# KiCad board netrazr_rev2.kicad_pcb
title: NetRazr Keyboard; rev: 2; note: Split KB for use in NetRazr Cyberdeck.
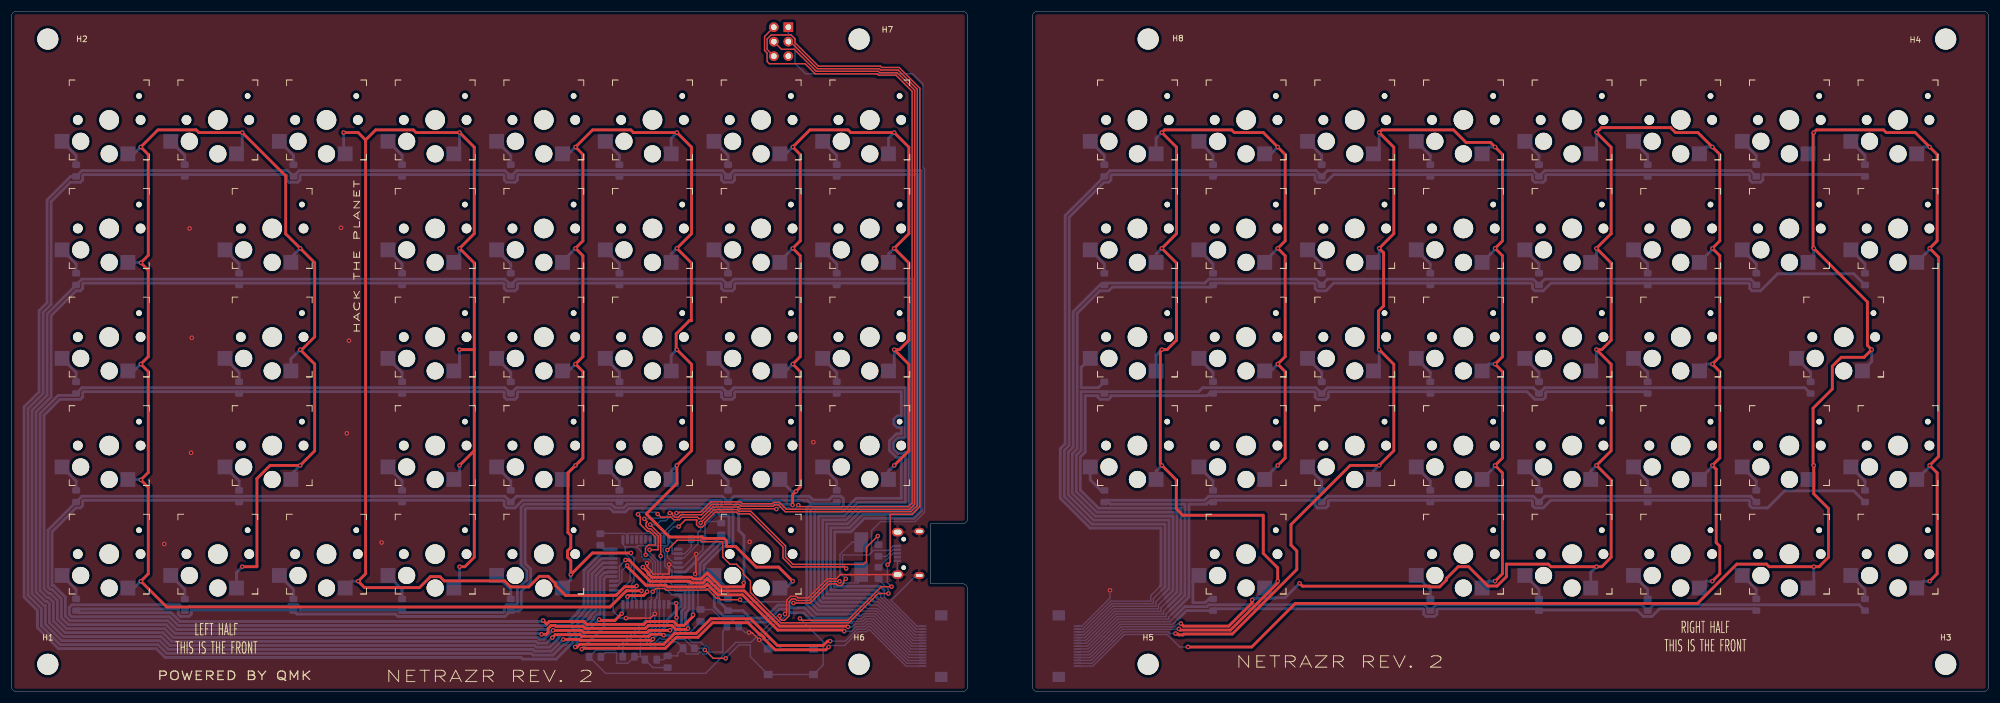
[diagram p0: board, top side]
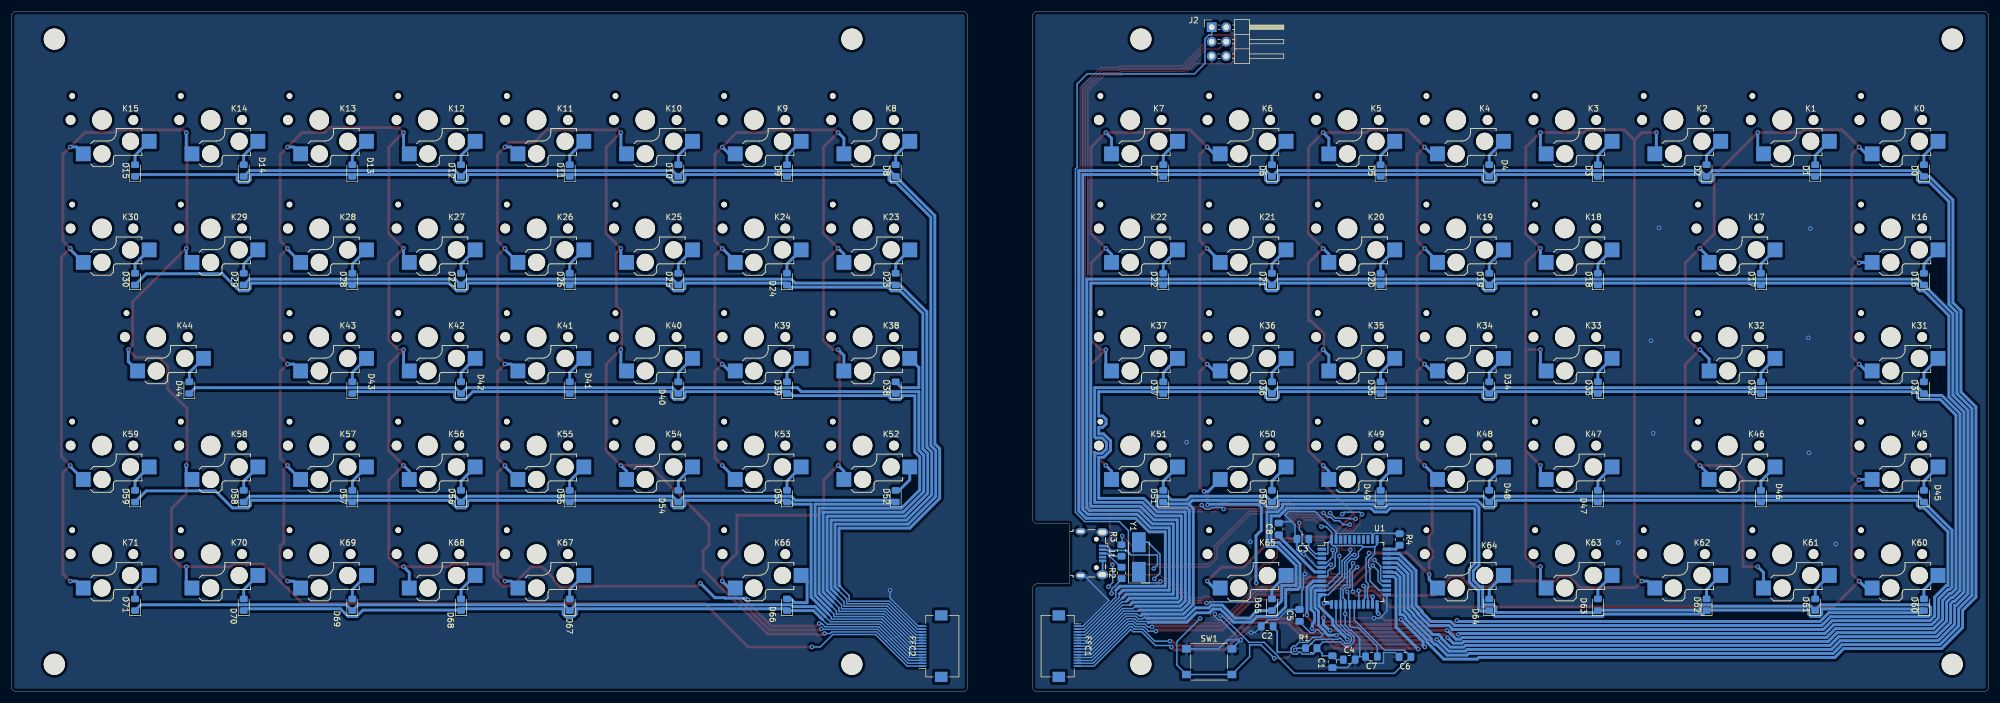
[diagram p1: board, bottom side, seen from below]

Outline 346.64 x 119.38 mm; copper layers: Top, Bottom. Coordinates in mm from the lower left corner of the outline.
Outline path: 0,118.49 0,0.89 arc(0.26,0.26) 0.89,0 166.75,0 arc(167.38,0.26) 167.64,0.89 167.64,18.03 arc(167.38,18.66) 166.75,18.92 161.16,18.92 161.16,29.46 166.75,29.46 arc(167.38,29.72) 167.64,30.35 167.64,118.49 arc(167.38,119.12) 166.75,119.38 0.89,119.38 arc(0.26,119.12) 0,118.49 ; 179,118.49 179,0.89 arc(179.26,0.26) 179.89,0 345.75,0 arc(346.38,0.26) 346.64,0.89 346.64,118.49 arc(346.38,119.12) 345.75,119.38 179.89,119.38 arc(179.26,119.12) 179,118.49

## Placement (name value [footprint] x y rotation side)
C1  0.1u  [C_0805_2012Metric_Pad1.18x1.45mm_HandSolder]  115.05 5.25 270 bottom
C2  0.1u  [C_0805_2012Metric_Pad1.18x1.45mm_HandSolder]  126.48 11.46 0 bottom
C3  0.1u  [C_0805_2012Metric_Pad1.18x1.45mm_HandSolder]  120.23 26.78 0 bottom
C4  0.1u  [C_0805_2012Metric_Pad1.18x1.45mm_HandSolder]  112.1 5.61 180 bottom
C5  4.7u  [C_0805_2012Metric_Pad1.18x1.45mm_HandSolder]  120.8 13.37 90 bottom
C6  22p  [C_0805_2012Metric_Pad1.18x1.45mm_HandSolder]  102.32 6.1 0 bottom
C7  22p  [C_0805_2012Metric_Pad1.18x1.45mm_HandSolder]  108.2 6.14 0 bottom
C8  1u  [C_0805_2012Metric_Pad1.18x1.45mm_HandSolder]  124.45 28.55 90 bottom
D0  D  [D_0805_2012Metric_Pad1.15x1.40mm_HandSolder]  11.35 91.44 90 bottom
D1  D  [D_0805_2012Metric_Pad1.15x1.40mm_HandSolder]  30.39 91.44 90 bottom
D2  D  [D_0805_2012Metric_Pad1.15x1.40mm_HandSolder]  49.45 91.44 90 bottom
D3  D  [D_0805_2012Metric_Pad1.15x1.40mm_HandSolder]  68.5 91.44 90 bottom
D4  D  [D_0805_2012Metric_Pad1.15x1.40mm_HandSolder]  87.55 91.44 90 bottom
D5  D  [D_0805_2012Metric_Pad1.15x1.40mm_HandSolder]  106.6 91.44 90 bottom
D6  D  [D_0805_2012Metric_Pad1.15x1.40mm_HandSolder]  125.64 91.44 90 bottom
D7  D  [D_0805_2012Metric_Pad1.15x1.40mm_HandSolder]  144.69 91.44 90 bottom
D8  D  [D_0805_2012Metric_Pad1.15x1.40mm_HandSolder]  191.62 91.44 90 bottom
D9  D  [D_0805_2012Metric_Pad1.15x1.40mm_HandSolder]  210.67 91.44 90 bottom
D10  D  [D_0805_2012Metric_Pad1.15x1.40mm_HandSolder]  229.71 91.44 90 bottom
D11  D  [D_0805_2012Metric_Pad1.15x1.40mm_HandSolder]  248.76 91.44 90 bottom
D12  D  [D_0805_2012Metric_Pad1.15x1.40mm_HandSolder]  267.81 91.44 90 bottom
D13  D  [D_0805_2012Metric_Pad1.15x1.40mm_HandSolder]  286.87 91.44 90 bottom
D14  D  [D_0805_2012Metric_Pad1.15x1.40mm_HandSolder]  305.91 91.44 90 bottom
D15  D  [D_0805_2012Metric_Pad1.15x1.40mm_HandSolder]  324.96 91.44 90 bottom
D16  D  [D_0805_2012Metric_Pad1.15x1.40mm_HandSolder]  11.35 72.39 90 bottom
D17  D  [D_0805_2012Metric_Pad1.15x1.40mm_HandSolder]  39.92 72.39 90 bottom
D18  D  [D_0805_2012Metric_Pad1.15x1.40mm_HandSolder]  68.5 72.39 90 bottom
D19  D  [D_0805_2012Metric_Pad1.15x1.40mm_HandSolder]  87.55 72.39 90 bottom
D20  D  [D_0805_2012Metric_Pad1.15x1.40mm_HandSolder]  106.6 72.39 90 bottom
D21  D  [D_0805_2012Metric_Pad1.15x1.40mm_HandSolder]  125.64 72.39 90 bottom
D22  D  [D_0805_2012Metric_Pad1.15x1.40mm_HandSolder]  144.69 72.39 90 bottom
D23  D  [D_0805_2012Metric_Pad1.15x1.40mm_HandSolder]  191.62 72.39 90 bottom
D24  D  [D_0805_2012Metric_Pad1.15x1.40mm_HandSolder]  210.67 72.39 90 bottom
D25  D  [D_0805_2012Metric_Pad1.15x1.40mm_HandSolder]  229.71 72.39 90 bottom
D26  D  [D_0805_2012Metric_Pad1.15x1.40mm_HandSolder]  248.76 72.39 90 bottom
D27  D  [D_0805_2012Metric_Pad1.15x1.40mm_HandSolder]  267.81 72.39 90 bottom
D28  D  [D_0805_2012Metric_Pad1.15x1.40mm_HandSolder]  286.87 72.39 90 bottom
D29  D  [D_0805_2012Metric_Pad1.15x1.40mm_HandSolder]  305.91 72.39 90 bottom
D30  D  [D_0805_2012Metric_Pad1.15x1.40mm_HandSolder]  324.96 72.39 90 bottom
D31  D  [D_0805_2012Metric_Pad1.15x1.40mm_HandSolder]  11.35 53.34 90 bottom
D32  D  [D_0805_2012Metric_Pad1.15x1.40mm_HandSolder]  39.92 53.34 90 bottom
D33  D  [D_0805_2012Metric_Pad1.15x1.40mm_HandSolder]  68.5 53.34 90 bottom
D34  D  [D_0805_2012Metric_Pad1.15x1.40mm_HandSolder]  87.55 53.34 90 bottom
D35  D  [D_0805_2012Metric_Pad1.15x1.40mm_HandSolder]  106.6 53.34 90 bottom
D36  D  [D_0805_2012Metric_Pad1.15x1.40mm_HandSolder]  125.64 53.34 90 bottom
D37  D  [D_0805_2012Metric_Pad1.15x1.40mm_HandSolder]  144.69 53.34 90 bottom
D38  D  [D_0805_2012Metric_Pad1.15x1.40mm_HandSolder]  191.62 53.34 90 bottom
D39  D  [D_0805_2012Metric_Pad1.15x1.40mm_HandSolder]  210.67 53.34 90 bottom
D40  D  [D_0805_2012Metric_Pad1.15x1.40mm_HandSolder]  229.71 53.34 90 bottom
D41  D  [D_0805_2012Metric_Pad1.15x1.40mm_HandSolder]  248.76 53.34 90 bottom
D42  D  [D_0805_2012Metric_Pad1.15x1.40mm_HandSolder]  267.81 53.34 90 bottom
D43  D  [D_0805_2012Metric_Pad1.15x1.40mm_HandSolder]  286.87 53.34 90 bottom
D44  D  [D_0805_2012Metric_Pad1.15x1.40mm_HandSolder]  315.44 53.34 90 bottom
D45  D  [D_0805_2012Metric_Pad1.15x1.40mm_HandSolder]  11.35 34.29 90 bottom
D46  D  [D_0805_2012Metric_Pad1.15x1.40mm_HandSolder]  39.92 34.29 90 bottom
D47  D  [D_0805_2012Metric_Pad1.15x1.40mm_HandSolder]  68.5 34.29 90 bottom
D48  D  [D_0805_2012Metric_Pad1.15x1.40mm_HandSolder]  87.55 34.29 90 bottom
D49  D  [D_0805_2012Metric_Pad1.15x1.40mm_HandSolder]  106.6 34.29 90 bottom
D50  D  [D_0805_2012Metric_Pad1.15x1.40mm_HandSolder]  125.64 34.29 90 bottom
D51  D  [D_0805_2012Metric_Pad1.15x1.40mm_HandSolder]  144.69 34.29 90 bottom
D52  D  [D_0805_2012Metric_Pad1.15x1.40mm_HandSolder]  191.62 34.29 90 bottom
D53  D  [D_0805_2012Metric_Pad1.15x1.40mm_HandSolder]  210.67 34.29 90 bottom
D54  D  [D_0805_2012Metric_Pad1.15x1.40mm_HandSolder]  229.71 34.29 90 bottom
D55  D  [D_0805_2012Metric_Pad1.15x1.40mm_HandSolder]  248.76 34.29 90 bottom
D56  D  [D_0805_2012Metric_Pad1.15x1.40mm_HandSolder]  267.81 34.29 90 bottom
D57  D  [D_0805_2012Metric_Pad1.15x1.40mm_HandSolder]  286.87 34.29 90 bottom
D58  D  [D_0805_2012Metric_Pad1.15x1.40mm_HandSolder]  305.91 34.29 90 bottom
D59  D  [D_0805_2012Metric_Pad1.15x1.40mm_HandSolder]  324.96 34.29 90 bottom
D60  D  [D_0805_2012Metric_Pad1.15x1.40mm_HandSolder]  11.35 15.24 90 bottom
D61  D  [D_0805_2012Metric_Pad1.15x1.40mm_HandSolder]  30.39 15.24 90 bottom
D62  D  [D_0805_2012Metric_Pad1.15x1.40mm_HandSolder]  49.45 15.24 90 bottom
D63  D  [D_0805_2012Metric_Pad1.15x1.40mm_HandSolder]  68.5 15.24 90 bottom
D64  D  [D_0805_2012Metric_Pad1.15x1.40mm_HandSolder]  87.55 15.24 90 bottom
D65  D  [D_0805_2012Metric_Pad1.15x1.40mm_HandSolder]  125.64 15.24 90 bottom
D66  D  [D_0805_2012Metric_Pad1.15x1.40mm_HandSolder]  210.67 15.24 90 bottom
D67  D  [D_0805_2012Metric_Pad1.15x1.40mm_HandSolder]  248.76 15.24 90 bottom
D68  D  [D_0805_2012Metric_Pad1.15x1.40mm_HandSolder]  267.81 15.24 90 bottom
D69  D  [D_0805_2012Metric_Pad1.15x1.40mm_HandSolder]  286.87 15.24 90 bottom
D70  D  [D_0805_2012Metric_Pad1.15x1.40mm_HandSolder]  305.91 15.24 90 bottom
D71  D  [D_0805_2012Metric_Pad1.15x1.40mm_HandSolder]  324.96 15.24 90 bottom
FFC1  -  [Hirose_FH12-15S-0.5SH_1x15-1MP_P0.50mm_Horizontal]  161.61 7.98 270 bottom
FFC2  -  [Hirose_FH12-15S-0.5SH_1x15-1MP_P0.50mm_Horizontal]  185.03 7.98 90 bottom
H1  MountingHole  [MountingHole_3.7mm]  6.38 4.79 0 top
H2  MountingHole  [MountingHole_3.7mm]  6.38 114.52 0 top
H3  MountingHole  [MountingHole_3.7mm]  339.12 4.79 0 top
H4  MountingHole  [MountingHole_3.7mm]  339.12 114.52 0 top
H5  MountingHole  [MountingHole_3.7mm]  199.29 4.79 0 top
H6  MountingHole  [MountingHole_3.7mm]  148.62 4.79 0 top
H7  MountingHole  [MountingHole_3.7mm]  148.62 114.52 0 top
H8  MountingHole  [MountingHole_3.7mm]  199.29 114.52 0 top
J1  USB_B_Micro  [USB_Micro-B_Wuerth_629105150521]  157.23 24.26 270 bottom
J2  Conn_02x03_Odd_Even  [PinHeader_2x03_P2.54mm_Horizontal]  136.21 116.61 180 bottom
K0  MACRO,,,,,,1  [Kailh_socket_PG1350]  17.15 100.33 0 top
K1  ESC  [Kailh_socket_PG1350]  36.2 100.33 0 top
K2  ~~,,,,,,,,,`  [Kailh_socket_PG1350]  55.25 100.33 0 top
K3  !,,f1,,,,,,,1  [Kailh_socket_PG1350]  74.3 100.33 0 top
K4  @,,f2,,,,,,,2  [Kailh_socket_PG1350]  93.35 100.33 0 top
K5  #,,f3,,,,,,,3  [Kailh_socket_PG1350]  112.39 100.33 0 top
K6  $,,f4,,,,,,,4  [Kailh_socket_PG1350]  131.44 100.33 0 top
K7  %,,f5,,,,,,,5  [Kailh_socket_PG1350]  150.5 100.33 0 top
K8  ^,,f6,,,,,,,6  [Kailh_socket_PG1350]  197.42 100.33 0 top
K9  &,,f7,,,,,,,7  [Kailh_socket_PG1350]  216.46 100.33 0 top
K10  *,,f8,,,,,,,8  [Kailh_socket_PG1350]  235.51 100.33 0 top
K11  (,,f9,,,,,,,9  [Kailh_socket_PG1350]  254.56 100.33 0 top
K12  ),,f10,,,,,,,0  [Kailh_socket_PG1350]  273.62 100.33 0 top
K13  _,,f11,,,,,,,-  [Kailh_socket_PG1350]  292.66 100.33 0 top
K14  +,,f12,,,,,,,=  [Kailh_socket_PG1350]  311.71 100.33 0 top
K15  BKSP  [Kailh_socket_PG1350]  330.76 100.33 0 top
K16  MACRO,,,,,,2  [Kailh_socket_PG1350]  17.15 81.28 0 top
K17  TAB  [Kailh_socket_PG1350]  45.72 81.28 0 top
K18  Q  [Kailh_socket_PG1350]  74.3 81.28 0 top
K19  W  [Kailh_socket_PG1350]  93.35 81.28 0 top
K20  E  [Kailh_socket_PG1350]  112.39 81.28 0 top
K21  R  [Kailh_socket_PG1350]  131.44 81.28 0 top
K22  T  [Kailh_socket_PG1350]  150.5 81.28 0 top
K23  Y  [Kailh_socket_PG1350]  197.42 81.28 0 top
K24  U  [Kailh_socket_PG1350]  216.46 81.28 0 top
K25  I  [Kailh_socket_PG1350]  235.51 81.28 0 top
K26  O  [Kailh_socket_PG1350]  254.56 81.28 0 top
K27  P  [Kailh_socket_PG1350]  273.62 81.28 0 top
K28  {,,,,,,,,,[}  [Kailh_socket_PG1350]  292.66 81.28 0 top
K29  },,,,,,,,,]  [Kailh_socket_PG1350]  311.71 81.28 0 top
K30  |,,,,,,,,,\  [Kailh_socket_PG1350]  330.76 81.28 0 top
K31  MACRO,,,,,,3  [Kailh_socket_PG1350]  17.15 62.23 0 top
K32  CAPS  [Kailh_socket_PG1350]  45.72 62.23 0 top
K33  A  [Kailh_socket_PG1350]  74.3 62.23 0 top
K34  S  [Kailh_socket_PG1350]  93.35 62.23 0 top
K35  D  [Kailh_socket_PG1350]  112.39 62.23 0 top
K36  F  [Kailh_socket_PG1350]  131.44 62.23 0 top
K37  G  [Kailh_socket_PG1350]  150.5 62.23 0 top
K38  H  [Kailh_socket_PG1350]  197.42 62.23 0 top
K39  J  [Kailh_socket_PG1350]  216.46 62.23 0 top
K40  K  [Kailh_socket_PG1350]  235.51 62.23 0 top
K41  L  [Kailh_socket_PG1350]  254.56 62.23 0 top
K42  :,,,,,,,,,;  [Kailh_socket_PG1350]  273.62 62.23 0 top
K43  ",,,,,,,,,'  [Kailh_socket_PG1350]  292.66 62.23 0 top
K44  ,,ENTER  [Kailh_socket_PG1350]  321.24 62.23 0 top
K45  MACRO,,,,,,4  [Kailh_socket_PG1350]  17.15 43.18 0 top
K46  LSHIFT  [Kailh_socket_PG1350]  45.72 43.18 0 top
K47  Z  [Kailh_socket_PG1350]  74.3 43.18 0 top
K48  X  [Kailh_socket_PG1350]  93.35 43.18 0 top
K49  C  [Kailh_socket_PG1350]  112.39 43.18 0 top
K50  V  [Kailh_socket_PG1350]  131.44 43.18 0 top
K51  B  [Kailh_socket_PG1350]  150.5 43.18 0 top
K52  N  [Kailh_socket_PG1350]  197.42 43.18 0 top
K53  M  [Kailh_socket_PG1350]  216.46 43.18 0 top
K54  <,,,,,,,,,,  [Kailh_socket_PG1350]  235.51 43.18 0 top
K55  >,,,,,,,,,.  [Kailh_socket_PG1350]  254.56 43.18 0 top
K56  ?,,,,,,,,,/  [Kailh_socket_PG1350]  273.62 43.18 0 top
K57  RSHIFT  [Kailh_socket_PG1350]  292.66 43.18 0 top
K58  UP  [Kailh_socket_PG1350]  311.71 43.18 0 top
K59  DEL  [Kailh_socket_PG1350]  330.76 43.18 0 top
K60  MACRO,,,,,,5  [Kailh_socket_PG1350]  17.15 24.13 0 top
K61  LCTRL  [Kailh_socket_PG1350]  36.2 24.13 0 top
K62  FN  [Kailh_socket_PG1350]  55.25 24.13 0 top
K63  META  [Kailh_socket_PG1350]  74.3 24.13 0 top
K64  LALT  [Kailh_socket_PG1350]  93.35 24.13 0 top
K65  LSPACE  [Kailh_socket_PG1350]  131.44 24.13 0 top
K66  RSPACE  [Kailh_socket_PG1350]  216.46 24.13 0 top
K67  RALT  [Kailh_socket_PG1350]  254.56 24.13 0 top
K68  RCTRL  [Kailh_socket_PG1350]  273.62 24.13 0 top
K69  LEFT  [Kailh_socket_PG1350]  292.66 24.13 0 top
K70  DOWN  [Kailh_socket_PG1350]  311.71 24.13 0 top
K71  RIGHT  [Kailh_socket_PG1350]  330.76 24.13 0 top
R1  10k  [R_0805_2012Metric_Pad1.20x1.40mm_HandSolder]  118.74 7.62 180 bottom
R2  22R  [R_0805_2012Metric_Pad1.20x1.40mm_HandSolder]  152.02 20.83 90 bottom
R3  22R  [R_0805_2012Metric_Pad1.20x1.40mm_HandSolder]  152.02 24.77 270 bottom
R4  10k  [R_0805_2012Metric_Pad1.20x1.40mm_HandSolder]  103.26 26.7 270 bottom
SW1  Reset_SW  [SW_Push_1P1T_NO_6x6mm_H9.5mm]  136.64 5.25 180 bottom
U1  ATmega32U4-AU  [TQFP-44_10x10mm_P0.8mm]  111.2 21 180 bottom
Y1  Crystal  [Crystal_SMD_5032-2Pin_5.0x3.2mm_HandSoldering]  148.98 23.61 90 bottom

## Footprints (pads in the part's own frame, mm; a bottom-side part is the same pattern mirrored in y, then rotated)
C_0805_2012Metric_Pad1.18x1.45mm_HandSolder
  rrect 1.175x1.45 smd: 1(-1.038,0) 2(1.038,0)
Crystal_SMD_5032-2Pin_5.0x3.2mm_HandSoldering
  rect 3.5x2.4 smd: 1(-2.6,0) 2(2.6,0)
D_0805_2012Metric_Pad1.15x1.40mm_HandSolder
  rrect 1.15x1.4 smd: 1(-1.025,0) 2(1.025,0)
Hirose_FH12-15S-0.5SH_1x15-1MP_P0.50mm_Horizontal
  rect 0.3x1.3 smd: 1(-3.5,1.85) 2(-3,1.85) 3(-2.5,1.85) 4(-2,1.85) 5(-1.5,1.85) 6(-1,1.85) 7(-0.5,1.85) 8(0,1.85) 9(0.5,1.85) 10(1,1.85) 11(1.5,1.85) 12(2,1.85) 13(2.5,1.85) 14(3,1.85) 15(3.5,1.85)
  rect 1.8x2.2 smd: MP(-5.4,-1.4) MP(5.4,-1.4)
Kailh_socket_PG1350
  round 1.702 hole 1.702 unplated: (-5.5,0) (5.5,0)
  round 3 hole 3 unplated: (-5,-3.75) (0,-5.95)
  round 3.429 hole 3.429 unplated: (0,0)
  round 0.991 hole 0.991 unplated: (5.22,4.2)
  rect 2.6x2.6 smd far side: 1(3.275,-5.95) 2(-8.275,-3.75)
MountingHole_3.7mm
  round 3.7 hole 3.7 unplated: (0,0)
PinHeader_2x03_P2.54mm_Horizontal
  rect 1.7x1.7 hole 1: 1(0,0)
  oval 1.7x1.7 hole 1: 2(2.54,0) 3(0,-2.54) 4(2.54,-2.54) 5(0,-5.08) 6(2.54,-5.08)
R_0805_2012Metric_Pad1.20x1.40mm_HandSolder
  rrect 1.2x1.4 smd: 1(-1,0) 2(1,0)
SW_Push_1P1T_NO_6x6mm_H9.5mm
  rect 1.55x1.3 smd: 1(-3.975,2.25) 1(3.975,2.25) 2(-3.975,-2.25) 2(3.975,-2.25)
TQFP-44_10x10mm_P0.8mm
  rect 1.5x0.55 smd: 1(-5.7,4) 2(-5.7,3.2) 3(-5.7,2.4) 4(-5.7,1.6) 5(-5.7,0.8) 6(-5.7,0) 7(-5.7,-0.8) 8(-5.7,-1.6) 9(-5.7,-2.4) 10(-5.7,-3.2) 11(-5.7,-4) 23(5.7,-4) 24(5.7,-3.2) 25(5.7,-2.4) 26(5.7,-1.6) 27(5.7,-0.8) 28(5.7,0) 29(5.7,0.8) 30(5.7,1.6) 31(5.7,2.4) 32(5.7,3.2) 33(5.7,4)
  rect 0.55x1.5 smd: 12(-4,-5.7) 13(-3.2,-5.7) 14(-2.4,-5.7) 15(-1.6,-5.7) 16(-0.8,-5.7) 17(0,-5.7) 18(0.8,-5.7) 19(1.6,-5.7) 20(2.4,-5.7) 21(3.2,-5.7) 22(4,-5.7) 34(4,5.7) 35(3.2,5.7) 36(2.4,5.7) 37(1.6,5.7) 38(0.8,5.7) 39(0,5.7) 40(-0.8,5.7) 41(-1.6,5.7) 42(-2.4,5.7) 43(-3.2,5.7) 44(-4,5.7)
USB_Micro-B_Wuerth_629105150521
  oval 0.8x0.8 hole 0.8 unplated: (-2.5,0.8) (2.5,0.8)
  rect 0.45x1.3 smd: 1(-1.3,1.9) 2(-0.65,1.9) 3(0,1.9) 4(0.65,1.9) 5(1.3,1.9)
  oval 1.15x1.8 hole 0.55x1.2: 6(-3.875,-1.95) 6(3.875,-1.95)
  oval 1.45x2 hole 0.85x1.4: 6(-3.725,1.85) 6(3.725,1.85)

## Nets
GND: C1.2 C2.2 C3.2 C4.2 C5.2 C6.2 C7.2 C8.2 FFC1.1 FFC2.15 J1.5 J1.6 J2.5 R4.1 SW1.1 U1.5 U1.15 U1.23 U1.35 U1.43
VCC: C1.1 C2.1 C3.1 C4.1 C5.1 J1.1 J2.1 R1.2 U1.2 U1.7 U1.14 U1.24 U1.34 U1.44
/Col_0: K0.1 K1.1 K16.1 K17.1 K31.1 K32.1 K45.1 K46.1 K60.1 K61.1 U1.18
/Col_1: K2.1 K3.1 K18.1 K33.1 K47.1 K62.1 K63.1 U1.19
/Col_2: K4.1 K5.1 K19.1 K20.1 K34.1 K35.1 K48.1 K49.1 K64.1 K65.1 U1.20
/Col_3: K6.1 K7.1 K21.1 K22.1 K36.1 K37.1 K50.1 K51.1 U1.21
/Col_4: FFC1.13 FFC2.3 K8.1 K9.1 K23.1 K24.1 K38.1 K39.1 K52.1 K53.1 K66.1 U1.25
/Col_5: FFC1.14 FFC2.2 K10.1 K11.1 K25.1 K26.1 K40.1 K41.1 K54.1 K55.1 K67.1 U1.22
/Col_6: FFC1.12 FFC2.4 K12.1 K13.1 K27.1 K28.1 K42.1 K43.1 K56.1 K57.1 K68.1 K69.1 U1.26
/Col_7: FFC1.15 FFC2.1 K14.1 K15.1 K29.1 K30.1 K44.1 K58.1 K59.1 K70.1 K71.1 U1.27
/Reset: J2.6 R1.1 SW1.2 U1.13
/Row_0: D60.1 D62.1 D64.1 D66.1 D68.1 D70.1 FFC1.11 FFC2.5 U1.8
/Row_1: D45.1 D48.1 D50.1 D52.1 D54.1 D56.1 D58.1 FFC1.8 FFC2.8 J2.4 U1.9
/Row_2: D31.1 D34.1 D36.1 D38.1 D40.1 D42.1 D44.1 FFC1.6 FFC2.10 J2.3 U1.10
/Row_3: D16.1 D19.1 D21.1 D23.1 D25.1 D27.1 D29.1 FFC1.4 FFC2.12 J2.2 U1.11
/Row_4: D0.1 D2.1 D4.1 D6.1 D8.1 D10.1 D12.1 D14.1 FFC1.2 FFC2.14 U1.28
/Row_5: D1.1 D3.1 D5.1 D7.1 D9.1 D11.1 D13.1 D15.1 FFC1.3 FFC2.13 U1.29
/Row_6: D17.1 D18.1 D20.1 D22.1 D24.1 D26.1 D28.1 D30.1 FFC1.5 FFC2.11 U1.30
/Row_7: D32.1 D33.1 D35.1 D37.1 D39.1 D41.1 D43.1 FFC1.7 FFC2.9 U1.12
/Row_8: D46.1 D47.1 D49.1 D51.1 D53.1 D55.1 D57.1 D59.1 FFC1.9 FFC2.7 U1.31
/Row_9: D61.1 D63.1 D65.1 D67.1 D69.1 D71.1 FFC1.10 FFC2.6 U1.32
Net-(C6-Pad1): C6.1 U1.17 Y1.1
Net-(C7-Pad1): C7.1 U1.16 Y1.2
Net-(C8-Pad1): C8.1 U1.6
Net-(D0-Pad2): D0.2 K0.2
Net-(D1-Pad2): D1.2 K1.2
Net-(D2-Pad2): D2.2 K2.2
Net-(D3-Pad2): D3.2 K3.2
Net-(D4-Pad2): D4.2 K4.2
Net-(D5-Pad2): D5.2 K5.2
Net-(D6-Pad2): D6.2 K6.2
Net-(D7-Pad2): D7.2 K7.2
Net-(D8-Pad2): D8.2 K8.2
Net-(D9-Pad2): D9.2 K9.2
Net-(D10-Pad2): D10.2 K10.2
Net-(D11-Pad2): D11.2 K11.2
Net-(D12-Pad2): D12.2 K12.2
Net-(D13-Pad2): D13.2 K13.2
Net-(D14-Pad2): D14.2 K14.2
Net-(D15-Pad2): D15.2 K15.2
Net-(D16-Pad2): D16.2 K16.2
Net-(D17-Pad2): D17.2 K17.2
Net-(D18-Pad2): D18.2 K18.2
Net-(D19-Pad2): D19.2 K19.2
Net-(D20-Pad2): D20.2 K20.2
Net-(D21-Pad2): D21.2 K21.2
Net-(D22-Pad2): D22.2 K22.2
Net-(D23-Pad2): D23.2 K23.2
Net-(D24-Pad2): D24.2 K24.2
Net-(D25-Pad2): D25.2 K25.2
Net-(D26-Pad2): D26.2 K26.2
Net-(D27-Pad2): D27.2 K27.2
Net-(D28-Pad2): D28.2 K28.2
Net-(D29-Pad2): D29.2 K29.2
Net-(D30-Pad2): D30.2 K30.2
Net-(D31-Pad2): D31.2 K31.2
Net-(D32-Pad2): D32.2 K32.2
Net-(D33-Pad2): D33.2 K33.2
Net-(D34-Pad2): D34.2 K34.2
Net-(D35-Pad2): D35.2 K35.2
Net-(D36-Pad2): D36.2 K36.2
Net-(D37-Pad2): D37.2 K37.2
Net-(D38-Pad2): D38.2 K38.2
Net-(D39-Pad2): D39.2 K39.2
Net-(D40-Pad2): D40.2 K40.2
Net-(D41-Pad2): D41.2 K41.2
Net-(D42-Pad2): D42.2 K42.2
Net-(D43-Pad2): D43.2 K43.2
Net-(D44-Pad2): D44.2 K44.2
Net-(D45-Pad2): D45.2 K45.2
Net-(D46-Pad2): D46.2 K46.2
Net-(D47-Pad2): D47.2 K47.2
Net-(D48-Pad2): D48.2 K48.2
Net-(D49-Pad2): D49.2 K49.2
Net-(D50-Pad2): D50.2 K50.2
Net-(D51-Pad2): D51.2 K51.2
Net-(D52-Pad2): D52.2 K52.2
Net-(D53-Pad2): D53.2 K53.2
Net-(D54-Pad2): D54.2 K54.2
Net-(D55-Pad2): D55.2 K55.2
Net-(D56-Pad2): D56.2 K56.2
Net-(D57-Pad2): D57.2 K57.2
Net-(D58-Pad2): D58.2 K58.2
Net-(D59-Pad2): D59.2 K59.2
Net-(D60-Pad2): D60.2 K60.2
Net-(D61-Pad2): D61.2 K61.2
Net-(D62-Pad2): D62.2 K62.2
Net-(D63-Pad2): D63.2 K63.2
Net-(D64-Pad2): D64.2 K64.2
Net-(D65-Pad2): D65.2 K65.2
Net-(D66-Pad2): D66.2 K66.2
Net-(D67-Pad2): D67.2 K67.2
Net-(D68-Pad2): D68.2 K68.2
Net-(D69-Pad2): D69.2 K69.2
Net-(D70-Pad2): D70.2 K70.2
Net-(D71-Pad2): D71.2 K71.2
Net-(J1-Pad2): J1.2 R3.2
Net-(J1-Pad3): J1.3 R2.2
Net-(R2-Pad1): R2.1 U1.4
Net-(R3-Pad1): R3.1 U1.3
Net-(R4-Pad2): R4.2 U1.33

Pads without a net: FFC1 MP; FFC2 MP; J1 4; U1 1 36 37 38 39 40 41 42

## Via types
v1: diameter 0.8, hole 0.4, Top to Bottom, 156 vias

## Routing (per net, layer and track width the routed paths; a pad name or vN(x,y) marks a point on that pad's centre or on a via; arc(x,y) is an arc through that point)
GND: length 184.7
  Top w0.25: J1.6 150.46,20.53 150.45,20.52 145.33,20.52 144.61,19.8 143.02,19.8 139.67,16.45 137.87,16.45 137.59,16.72 136.62,16.72 135.91,16.01 135.91,13.9 v1(135.63,13.63) ; v1(129.32,10.38) 129.82,10.38 v1(131.12,9.09) ; v1(119.87,20.63) 120,20.76 120,24.07 v1(120.06,24.13) ; v1(112.8,13.65) 112.05,12.9 v1(107.74,12.9) ; v1(111.44,22.53) 111.44,21.93 112.21,21.16 112.21,20.95 112.51,20.64 115.3,20.64 v1(115.3,22.31)
  Bottom w0.25: 115.05,4.22 112.44,4.22 C4.2 111.06,5.62 110.54,6.14 110.26,6.14 ; J1.5 155.33,20.58 J1.6 ; v1(129.32,10.38) 128.59,10.38 126.36,12.62 124.67,12.62 122.89,14.4 120.8,14.4 120.38,14.82 120.38,17.87 120.13,18.12 120.13,20.37 v1(119.87,20.63) ; 103.34,6.1 104.09,6.85 106.1,6.85 106.1,5.08 106.2,4.98 108.06,4.98 109.22,6.14 110.26,6.14 ; 110.26,6.14 110.26,9.3 111.78,10.82 111.99,10.82 112.8,11.64 v1(112.8,13.65) U1.15 112.8,16.09 113.17,16.45 113.17,17.83 112.74,18.25 112.07,18.25 111.99,18.33 111.99,21.37 111.62,21.74 111.62,22.35 v1(111.44,22.53) ; 103.26,27.72 103.3,27.78 107.62,27.78 108.01,27.39 U1.35 108.01,27.57 108.2,27.78 114.2,27.78 114.41,27.57 U1.43 114.41,27.97 118.05,31.62 122.74,31.62 123.36,30.99 122.21,29.85 ; SW1.1 135,7.5 133.41,9.09 v1(131.12,9.09) 132.67,7.53 SW1.1 ; v1(115.3,22.31) 115.69,22.31 116.2,21.8 U1.5 117.73,21.8 v1(120.06,24.13) 120.47,24.13 121.25,24.91 121.25,26.78 121.61,27.13 121.61,29.24 122.21,29.85 ; v1(107.74,12.9) 106.72,12.9 105.51,14.12 U1.23 ; 124.45,29.57 124.18,29.85 122.21,29.85 ; FFC2.15 187.67,11.48 192.6,16.41 v1(192.6,17.78) ; 131.99,9.98 134.58,12.57 134.99,12.57 135.63,13.21 v1(135.63,13.63) ; J1.6 158.6,20.38 154.23,16.01 158.75,11.48 FFC1.1
  vias: v1(26.8,25.91) v1(31.24,81.28) v1(31.5,41.91) v1(31.62,62.1) v1(57.78,81.41) v1(58.8,45.34) v1(59.18,61.59) v1(64.9,26.16) v1(129.41,26.29) v1(140.6,43.78)
VCC: length 273.7
  Top w0.25: v1(146.36,21.61) 146.08,21.88 136.82,21.88 135.27,23.44 135.27,25.38 129.46,31.19 127.39,31.19 127.08,31.5 123.36,31.5 121.57,29.71 121.57,29.32 121.15,28.9 120.54,28.9 120.12,29.32 120.12,29.92 120.23,30.03 120.11,30.14 118.16,30.14 v1(116.98,28.96)
  Bottom w0.25: C4.1 114.37,5.61 C1.1 116.79,6.29 116.8,6.28 116.8,6.71 117.72,7.62 ; v1(116.98,28.96) 116.13,28.96 115.2,28.04 U1.44 ; 124.7,10.55 124.71,10.53 124.71,7 ; 124.7,10.55 125.46,11.31 125.46,11.46 ; 124.7,10.55 124.7,6.98 124.58,6.86 124.5,6.93 122.2,6.93 ; 119.2,26.78 119.2,25.38 118.02,24.2 U1.2 115.91,24.2 115.83,24.28 115.83,26.07 U1.44 ; 117.72,7.62 118.17,7.62 118.17,6.81 118.39,6.59 120.33,6.59 120.67,6.93 120.93,6.93 121.27,6.59 121.87,6.59 122.2,6.93 ; 117.72,7.62 117.72,7.69 116.68,8.73 113.64,8.73 112.94,8.03 111.97,8.03 111.27,8.73 111.27,9.67 111.97,10.38 112.18,10.38 113.61,11.8 U1.14 113.61,16.18 113.62,16.19 113.62,18.02 112.93,18.7 112.44,18.7 112.44,22.57 111.74,23.28 110.9,23.28 110.48,23.7 110.48,24.53 109.61,25.4 ; U1.24 106.84,17.8 108.46,19.42 108.46,21.61 108.69,21.85 108.69,23.1 107.63,24.16 107.63,25.4 ; 109.61,25.4 107.63,25.4 ; 109.61,25.4 109.84,25.62 114.75,25.62 ; 107.63,25.4 107.2,25.82 U1.34 ; 120.8,12.34 120.8,12.23 118.92,10.35 118.32,10.35 117.88,10.79 117.51,10.79 116.7,9.98 117.1,9.58 118.4,9.58 119.33,8.65 120.88,8.65 121.48,8.04 121.87,8.04 122.29,7.62 122.29,7.02 122.2,6.93 ; 114.75,25.62 115.01,25.62 115.2,25.82 U1.44 ; 114.75,25.62 114.28,25.15 114.28,24.55 114.55,24.27 114.55,23.32 114.55,23.32 114.55,22.03 115,21.58 115.39,21.58 115.83,21.14 115.83,20.4 116.03,20.2 U1.7 ; 155.33,25.56 154.59,25.56 153.81,24.78 151.14,24.78 150.5,24.13 ; 150.5,24.13 150.8,24.44 150.8,28.25 152.4,29.84 158.46,29.84 160.1,31.48 160.1,91.67 159.8,91.97 159.8,106.64 158.02,108.42 139.22,108.42 137.38,110.26 137.38,114.56 136.7,115.25 136.21,115.25 J2.1 ; 150.5,24.13 150.35,23.98 145.78,23.98 145.71,23.91 145.71,22.25 v1(146.36,21.61)